# KiCad board panel.kicad_pcb (continued)
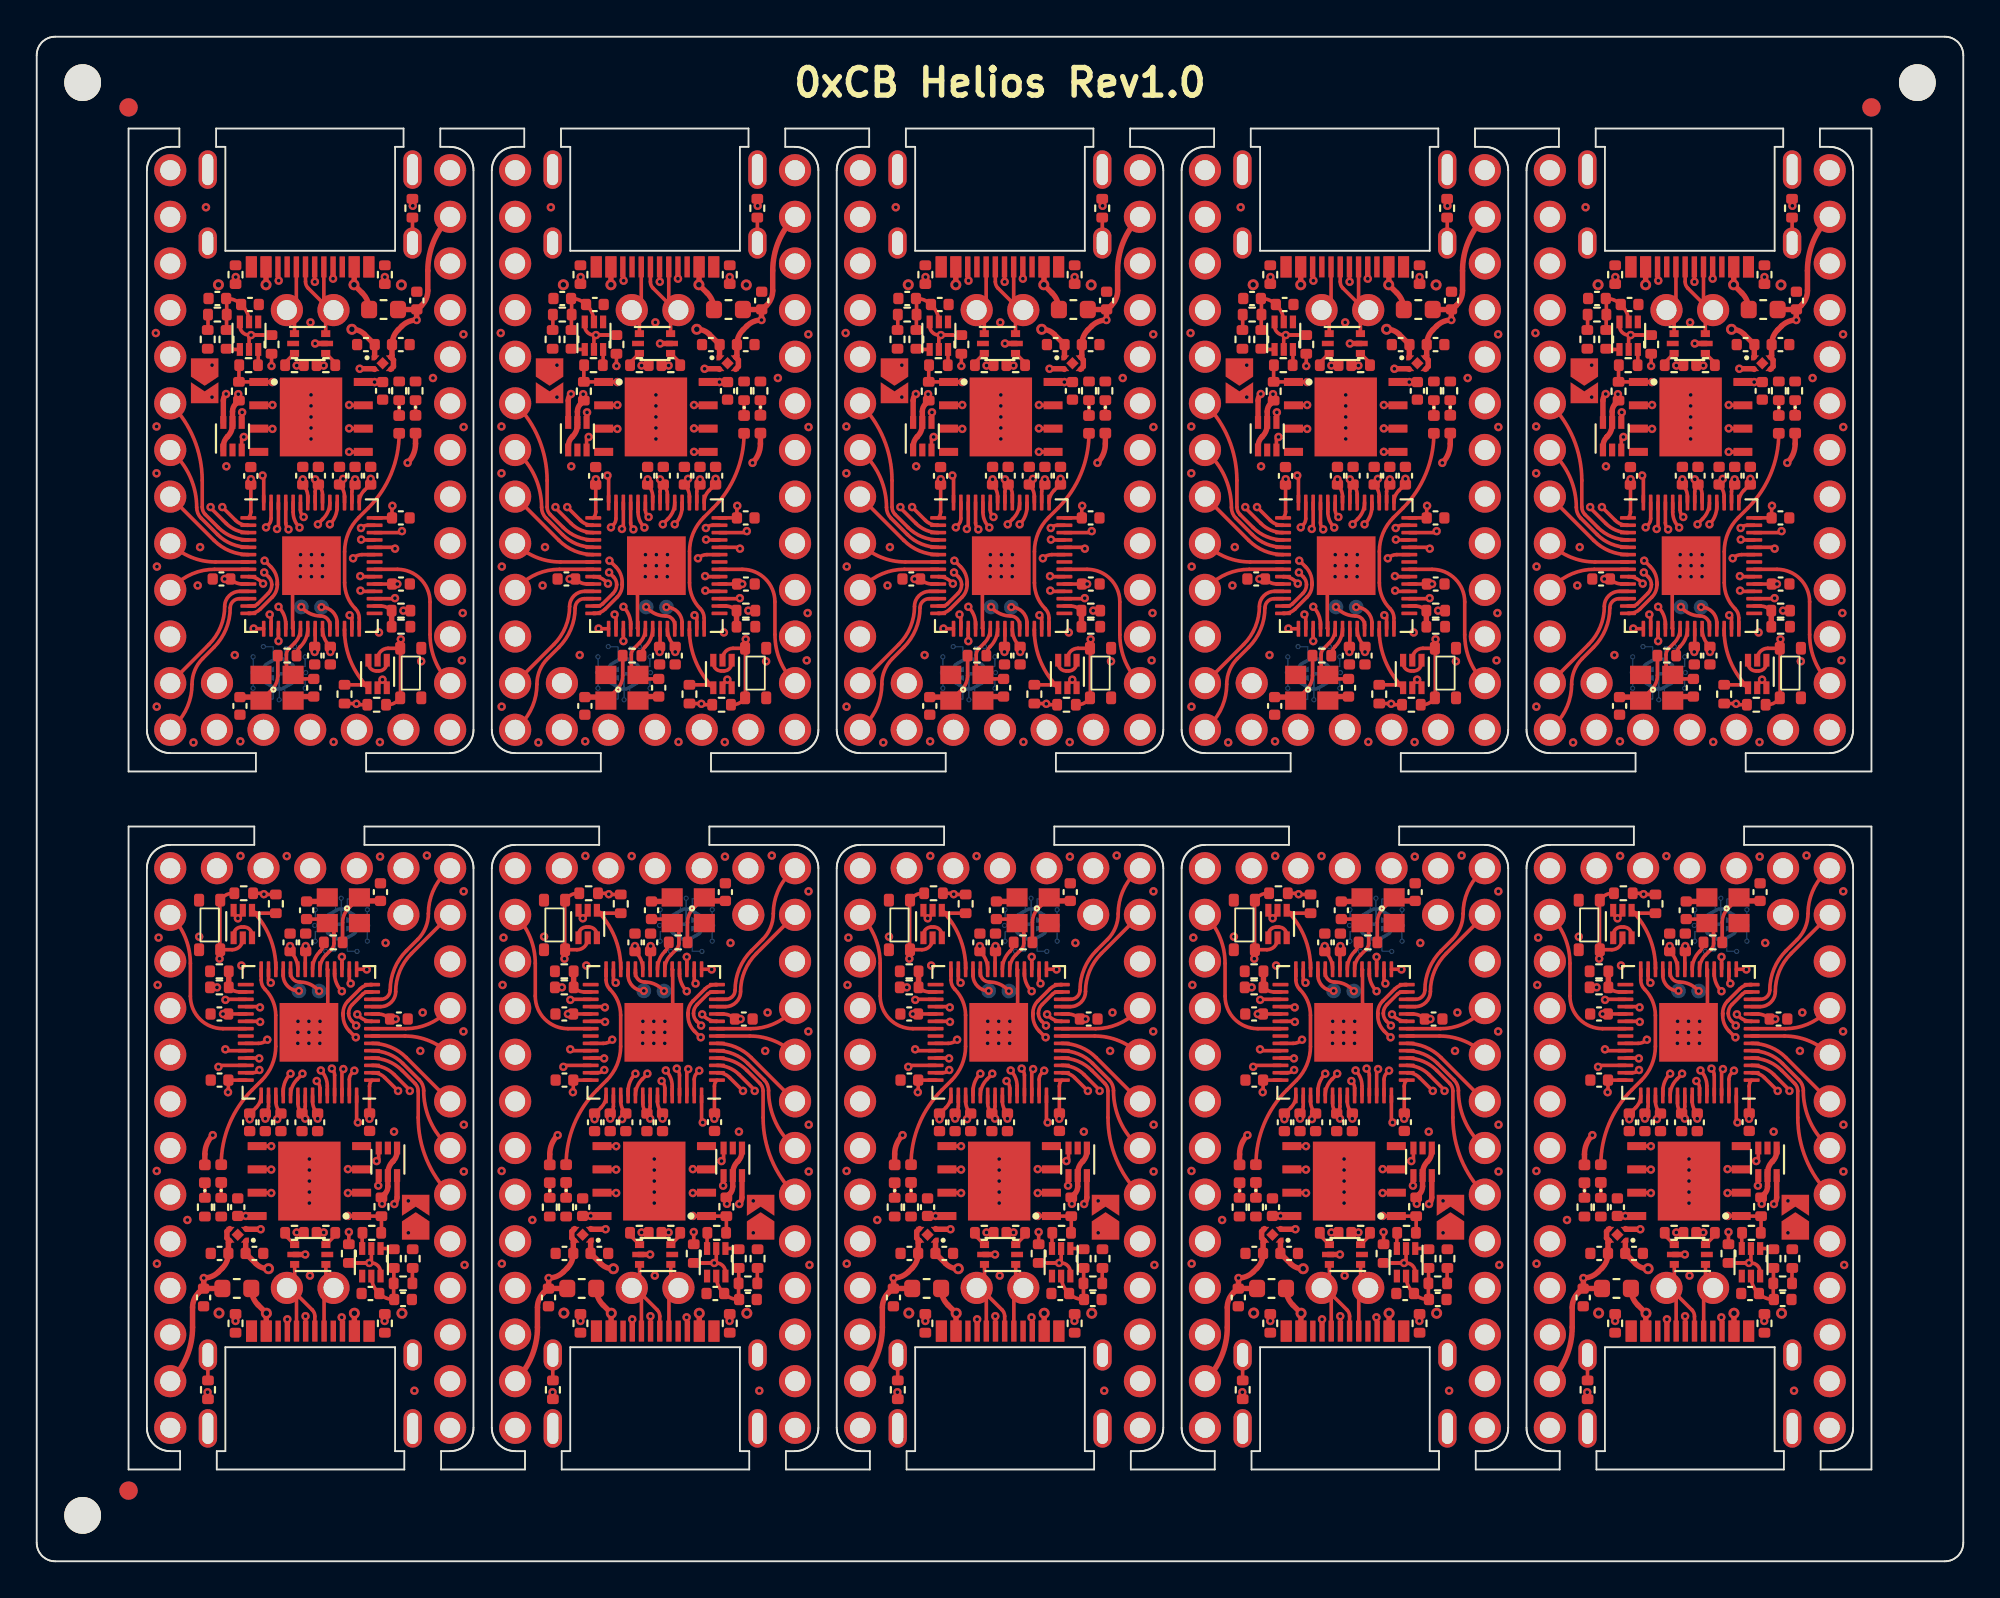
[diagram p0: board, top side]
## Routing (per net, layer and track width the routed paths; a pad name or vN(x,y) marks a point on that pad's centre or on a via; arc(x,y) is an arc through that point) (continued)
Board_1-Net-(C1-Pad1): length 3.7
  Top w0.2: 29.12,67.06 29.12,67.9 R5#5.1 29.12,68.75 C1#6.1 29.13,68.78 arc(29.55,68.7) C2#4.1 29.97,68.39 arc(30.24,67.99) Q2#10.5
Board_1-Net-(C7-Pad2): length 4.1
  Top w0.2: C7#2.2 32.96,48.06 Y1.3 32.52,48.5 arc(32.41,48.66) 32.38,48.85 32.38,49.38 arc(32.41,49.56) 32.51,49.71 32.82,50.02 arc(33.06,50.37) U4#9.20
Board_1-Net-(C8-Pad2): length 4
  Top w0.2: Y1.1 31.59,47.48 arc(31.82,47.83) 31.91,48.24 R14#10.1
  Top w0.3: Y1.1 30.8,47.07 C8#9.2
Board_1-Net-(D1-Pad1): length 0.8
  Top w0.2: D1#6.1 R10#3.1
Board_1-Net-(D1-Pad2): length 24.6
  Top w0.2: JP1#10.2 28.09,63.41 v1(28.33,63.41)
  Top w0.3: D1#6.2 39.41,60.87 arc(39.29,60.31) v1(38.98,59.83)
  In1.Cu w0.2: v1(38.98,59.83) 38.95,59.83 36.11,56.99 arc(35.75,56.12) 36.11,55.25 36.35,55.01 arc(36.49,54.65) 36.35,54.3 36.33,54.28 arc(35.98,54.14) 35.62,54.28 34.91,54.99 arc(34.57,55.22) 34.16,55.3 30.88,55.3 arc(30.23,55.58) 29.96,56.23 29.96,56.62 arc(29.8,57.41) 29.35,58.08 28.6,58.83 arc(28.18,59.46) 28.03,60.2 28.03,62.71 arc(28.11,63.09) v1(28.33,63.41)
Board_1-Net-(D2-Pad1): length 0.8
  Top w0.2: D2#8.1 R15#5.1
Board_1-Net-(FB1-Pad1): length 1.4
  Top w0.2: FB1#6.1 39.24,73.19 J1#9.S1
Board_1-Net-(J1-PadA5): length 4
  Top w0.2: J1#9.A5 v1(34.91,69.86) ; R7#8.2 v1(37.73,69.95)
  In1.Cu w0.2: v1(34.91,69.86) 35.11,70.05 37.63,70.05 v1(37.73,69.95)
Board_1-Net-(J1-PadB5): length 3.7
  Top w0.2: v1(31.95,69.75) 31.91,69.79 J1#9.B5 ; R8#9.2 29.6,69.94 v1(29.62,69.95)
  In1.Cu w0.2: v1(31.95,69.75) 31.65,70.05 29.72,70.05 v1(29.62,69.95)
Board_1-Net-(Q1-Pad5): length 28.5
  Top w0.2: R2#8.2 31.09,66.79 ; 31.09,66.79 v1(30.45,66.79) 30.34,66.68 Q2#10.2 ; 31.09,66.79 30.34,66.79 arc(29.99,66.94) 29.84,67.29 Q2#10.6 ; Q1#4.6 37.84,47.79 v1(37.6,48.02) 37.34,47.76 Q1#4.5
  In2.Cu w0.2: v1(37.6,48.02) 37.6,48.02 35.86,48.02 arc(33.45,49.02) 32.46,51.42 32.46,53.82 arc(32.34,54.4) 32.01,54.9 30.76,56.15 arc(30.11,57.12) 29.88,58.27 29.88,59.25 arc(29.97,59.72) 30.24,60.12 arc(30.46,60.45) 30.54,60.84 30.54,63.41 arc(30.49,63.64) 30.36,63.84 30.33,63.88 arc(30.22,64.04) 30.18,64.23 30.18,66.31 arc(30.22,66.5) 30.33,66.67 v1(30.45,66.79)
Board_1-Net-(Q2-Pad1): length 0.7
  Top w0.2: R4#8.1 29.16,66.01 Q2#10.1
Board_1-Net-(R5-Pad2): length 0.8
  Top w0.2: 28.09,67.06 28.1,67.08 28.1,67.91
Board_1-Net-(R14-Pad2): length 1.6
  Top w0.2: R14#10.2 arc(32.98,49.59) 33.12,49.81 33.14,49.83 arc(33.44,50.27) U4#9.21
Board_1-VBUS: length 28.7
  Top w0.2: v1(38.74,51.78) R16#2.1
  Top w0.3: v2(31.27,69.53) J1#9.A9 ; J1#9.A4 36.06,69.54 v2(36.05,69.53) 36.5,69.08 arc(36.78,68.67) F1#2.1
  In2.Cu w0.2: v2(36.05,69.53) arc(38.57,65.77) 39.45,61.34 39.45,53.48 arc(39.27,52.56) v1(38.74,51.78)
  In2.Cu w0.3: v2(36.05,69.53) arc(35.79,70.18) 35.14,70.45 32.18,70.45 arc(31.53,70.18) v2(31.27,69.53)
Board_2-+1V1: length 15.6
  Top w0.2: v1(52.05,58.93) C17#2.1 arc(52.25,58.35) 52.32,57.99 U4#6.50 ; v1(53.55,49.53) C19#6.1 53.51,49.84 arc(53.22,50.28) U4#6.23 ; U4#6.45 54.32,57.99 arc(54.25,58.35) C10#2.2
  In2.Cu w0.2: v1(52.05,58.93) 53.12,57.86 ; v1(54.25,58.96) 53.14,57.86 53.12,57.86 ; 53.12,57.86 53.54,57.43 arc(53.91,56.88) 54.05,56.22 54.05,50.74 arc(53.92,50.08) v1(53.55,49.53)
Board_2-+3V3: length 20.9
  Top w0.2: v1(55.75,58.96) 55.75,58.68 55.39,58.33 arc(55.19,58.03) U4#6.43 ; U3#6.8 55.95,64.24 v1(55.95,64.23) C6#10.1 ; R2#7.1 v1(50.34,65.11) ; U4#6.44 54.72,58.27 arc(54.76,58.46) 54.87,58.62 C9#7.2 v1(54.89,58.93) ; 55.93,56.83 C13#3.1 56.91,57.47 v1(56.92,57.49) ; R11#8.1 48.57,63.54 v1(48.53,63.57) ; C16#8.1 49.22,58.93 v1(49.22,58.94) ; R3#2.1 54.95,46.72 v1(54.97,46.71) 55.02,46.66 R1#3.1 ; 49.22,58.35 49.22,57.16 arc(49.18,56.98) U4#6.1 ; U4#6.22 52.72,49.84 C11#10.1 ; U4#6.49 52.72,58.27 arc(52.76,58.46) 52.87,58.62 C14#8.1 ; U4#6.10 48.76,53.23 arc(48.4,53.3) C15#7.1 v1(47.8,53.51) ; C14#8.1 52.89,58.76 v1(52.72,58.93) ; C14#8.1 arc(53.06,58.4) 53.12,58.11 U4#6.48 ; v1(57.19,53.23) 55.93,53.23
  Top w0.3: U2#8.1 55.96,66.27 ; C5#4.1 55.41,66.83 arc(55.09,67.04) 54.72,67.11 ; R11#8.1 48.39,63.04 arc(48.27,62.85) 48.22,62.62 U5#8.5 48.22,61.91 arc(48.15,61.56) 47.95,61.26 47.94,61.25 arc(47.78,61.01) 47.72,60.72 U5#8.1
  vias: v1(47.1,65.15) v1(47.88,59.64) v1(52.69,49.53) v2(54.72,67.11)
Board_2-+5V: length 25.3
  Top w0.3: 58.25,68.18 C3#2.1 58.31,68.19 58.52,68.41 arc(58.77,68.78) 58.86,69.21 58.86,70.3 arc(59.17,71.88) J2#5.30 ; 58.25,68.18 v1(58.25,67.61) arc(57.81,67.52) 57.44,67.28 57.24,67.07 arc(56.99,66.7) C4#3.1 56.91,65.67 U2#8.4 56.98,65.44 56.98,65.07 U2#8.3 ; 58.25,68.18 F1#7.2 ; v1(47.87,63.58) 47.87,63.58 arc(47.76,63.41) 47.72,63.22 U5#8.6 ; U1#2.5 v1(52.72,66.33)
  In1.Cu w0.3: v1(47.87,63.58) arc(48.65,65.47) 50.55,66.26 52.64,66.26 v1(52.72,66.33) 52.8,66.25 54.96,66.25 arc(56.74,66.6) v1(58.25,67.61)
Board_2-/0_TX0: length 18.4
  Top w0.2: v1(47.66,57.42) 48.39,56.7 arc(48.68,56.5) 49.03,56.43 U4#6.2
  In1.Cu w0.2: J2#5.2 44.83,72.66 arc(44.87,72.47) 44.98,72.31 45.01,72.27 arc(45.9,70.94) 46.22,69.36 46.22,60.13 arc(46.4,59.22) 46.91,58.45 47.47,57.89 arc(47.61,57.67) v1(47.66,57.42)
Board_2-/1_RX0: length 16.4
  Top w0.2: v1(47.02,57.42) 47.02,57.38 47.87,56.53 arc(48.43,56.16) U4#6.3
  In1.Cu w0.2: v1(47.02,57.42) 47.02,57.44 arc(46.94,57.88) 46.69,58.24 arc(46.12,59.11) 45.91,60.12 45.91,68.07 arc(45.63,69.49) J2#5.3
Board_2-/2_SDA1: length 9.4
  Top w0.2: J2#5.6 arc(46.12,61.14) 46.57,58.87 46.57,57.43 arc(46.61,57.2) 46.74,57.01 47.45,56.31 arc(48.2,55.81) U4#6.4
Board_2-/3_SCL1: length 7.3
  Top w0.2: J2#5.7 45.08,60.28 arc(45.96,58.96) 46.27,57.4 arc(46.33,57.09) 46.51,56.82 47.41,55.92 arc(48.18,55.41) U4#6.5
Board_2-/4: length 5.4
  Top w0.2: J2#5.8 47.22,55.6 arc(48.07,55.03) U4#6.6
Board_2-/5: length 4.5
  Top w0.2: U4#6.7 47.29,54.43 arc(45.96,54.7) J2#5.9
Board_2-/6: length 4.6
  Top w0.2: J2#5.10 45.04,53.12 arc(46.05,53.79) 47.24,54.03 U4#6.8
Board_2-/7: length 6.9
  Top w0.2: v1(49.89,53.25) 49.78,53.35 arc(49.48,53.56) 49.12,53.63 U4#6.9
  In2.Cu w0.2: v1(49.89,53.25) 48.54,51.91 arc(46.84,50.77) J2#5.11
Board_2-/8: length 7
  Top w0.2: U4#6.11 48.62,52.83 arc(48.04,52.59) 47.8,52.01 arc(47.57,50.89) 46.94,49.94 J2#5.12
Board_2-/9: length 8.9
  Top w0.2: J2#5.13 45.1,45.56 arc(45.78,46.57) 46.02,47.77 arc(46.17,48.53) 46.6,49.17 47.2,49.78 arc(47.86,50.77) 48.09,51.93 arc(48.24,52.28) 48.59,52.43 U4#6.12
Board_2-/10: length 26.5
  Top w0.2: v1(49.94,53.86) 50.18,53.62 arc(50.31,53.43) 50.36,53.2 arc(50.31,52.94) 50.16,52.72 49.59,52.15 arc(49.46,52.06) 49.31,52.03 U4#6.13
  In2.Cu w0.2: v1(49.94,53.86) 49.91,53.86 46.63,57.14 arc(46.22,57.76) 46.08,58.48 46.08,72.76 arc(45.75,74.39) J2#5.1
Board_2-/11: length 38
  Top w0.2: v1(49.97,54.5) 49.98,54.5 50.3,54.17 arc(50.57,53.78) 50.66,53.31 50.66,53.18 arc(50.59,52.82) 50.38,52.51 49.73,51.86 arc(49.47,51.69) 49.17,51.63 U4#6.14
  In1.Cu w0.2: v1(49.97,54.5) 49.97,54.69 arc(49.87,54.91) 49.65,55 arc(48.79,55.36) 48.44,56.22 48.44,56.45 arc(48.27,57.28) 47.8,57.98 47.14,58.64 arc(46.68,59.34) 46.52,60.16 46.52,68.65 arc(47.07,69.98) 48.4,70.53 57.68,70.53 arc(58.51,70.87) 58.86,71.71 58.86,72.84 arc(59.17,74.42) J2#5.31
Board_2-/12: length 6.6
  Top w0.2: v1(49.37,50.81) 49.38,50.79 U4#6.15
  In1.Cu w0.2: v1(49.37,50.81) 49.37,50.12 arc(48.85,47.51) J2#5.14
Board_2-/13: length 7.2
  Top w0.2: U4#6.16 50.32,51.5 v1(50.25,51.57)
  In1.Cu w0.2: J2#5.15 49.91,50.76 arc(50,51.2) v1(50.25,51.57)
Board_2-/14: length 6
  Top w0.2: v1(50.72,50.12) 50.72,50.13 U4#6.17
  In1.Cu w0.2: v1(50.72,50.12) 50.72,49.45 arc(51.17,47.2) J2#5.16
Board_2-/15: length 9.5
  Top w0.2: U4#6.18 51.12,51.04 arc(51.02,51.55) v1(50.72,51.99)
  In1.Cu w0.2: J2#5.17 52.45,47.83 arc(51.62,49.08) 51.33,50.54 arc(51.17,51.33) v1(50.72,51.99)
Board_2-/16: length 7.9
  Top w0.2: v1(54.59,51.53) 54.72,51.41 U4#6.27
  In1.Cu w0.2: J2#5.18 56.93,45.89 arc(55.2,48.48) v1(54.59,51.53)
Board_2-/20_SDI: length 4.9
  Top w0.2: v1(57.06,52.46) 57.03,52.43 U4#6.31
  In1.Cu w0.2: J2#5.21 58.63,51.81 arc(57.91,52.29) v1(57.06,52.46)
Board_2-/21_CS: length 10.1
  Top w0.2: U4#6.32 55.22,52.83 v1(55.19,52.87)
  In1.Cu w0.2: J2#5.19 57.17,48.19 arc(55.87,50.02) 55.24,52.16 55.24,52.82 v1(55.19,52.87)
Board_2-/22_SCK: length 5.9
  Top w0.2: v1(55.17,53.66) 55.2,53.63 U4#6.34
  In1.Cu w0.2: v1(55.17,53.66) 55.22,53.7 58.15,53.7 arc(59.19,53.5) J2#5.22
Board_2-/23_SDO: length 8.7
  Top w0.2: U4#6.35 57.2,54.03 arc(58.45,53.51) 58.97,52.25 58.97,50.47 arc(59.26,49.04) J2#5.20
Board_2-/A0: length 4.2
  Top w0.2: v1(57.07,55.16) 57,55.23 U4#6.38
  In1.Cu w0.2: v1(57.07,55.16) 59.36,55.16 arc(59.74,55.23) J2#5.23
Board_2-/A1: length 6.5
  Top w0.2: v1(55.22,55.65) 55.25,55.63 U4#6.39
  In1.Cu w0.2: J2#5.24 57.97,55.89 arc(57.68,55.7) 57.34,55.63 55.25,55.63 v1(55.22,55.65)
Board_2-/A2: length 6.8
  Top w0.2: U4#6.40 57.36,56.03 v1(57.44,56.11)
  In1.Cu w0.2: J2#5.25 58.71,59.17 arc(57.77,57.77) v1(57.44,56.11)
Board_2-/A3: length 9.4
  Top w0.2: v1(55.22,56.28) 55.22,56.28 arc(55.38,56.39) 55.57,56.43 U4#6.41
  In1.Cu w0.2: v1(55.22,56.28) 55.22,56.45 57.96,59.19 arc(58.58,60.13) 58.81,61.24 arc(58.91,61.76) 59.2,62.2 J2#5.26
Board_2-/BOOT: length 0.7
  Top w0.2: 49.62,65.28 Q2#6.3
Board_2-/D+: length 11.1
  Top w0.2: R12#5.2 51.73,65.15 v1(51.72,65.13) ; v1(52.87,56.48) 52.87,56.5 53.15,56.78 arc(53.42,57.19) U4#6.47
  In1.Cu w0.2: v1(52.87,56.48) 52.87,56.5 arc(53.11,56.86) 53.19,57.28 53.19,62.86 arc(53.07,63.5) 52.7,64.05 51.69,65.06 51.69,65.11 v1(51.72,65.13)
Board_2-/D-: length 11.2
  Top w0.2: U4#6.46 53.92,57.45 arc(53.82,56.92) v1(53.52,56.48) ; v1(53.19,65.13) 53.17,65.15 R13#3.2
  In1.Cu w0.2: v1(53.19,65.13) 53.35,64.96 arc(53.48,64.78) 53.52,64.56 arc(53.48,64.45) 53.37,64.41 53.18,64.41 arc(53.08,64.36) 53.03,64.26 arc(53.08,64.15) 53.18,64.11 53.37,64.11 arc(53.48,64.06) 53.52,63.96 v1(53.52,56.48)
Board_2-/LED: length 11.7
  Top w0.2: U4#6.28 55.12,51.38 arc(55.07,51.65) 54.91,51.88 arc(54.48,52.53) 54.33,53.3 54.33,55 arc(54.52,56) 55.09,56.85 55.61,57.36 arc(56.86,59.23) D2#4.2
Board_2-/PORT+: length 7.1
  Top w0.2: J1.B6 51.69,68.67 J2#5.34 51.59,67.74 U1#2.1 ; v1(52.7,69.69) 52.69,69.7 J1.A6
  In1.Cu w0.2: J2#5.34 51.34,68.15 52.7,69.51 v1(52.7,69.69)
Board_2-/PORT-: length 7.1
  Top w0.2: J1.B7 53.19,68.68 J2#5.33 ; 53.3,66.87 53.3,67.73 J2#5.33 ; J2#5.33 53.53,68.15 52.34,69.34 arc(52.23,69.51) 52.19,69.7 J1.A7
Board_2-/QSPI_CLK: length 11.3
  Top w0.2: v1(54.57,61.71) 54.58,61.7 U3#6.6 ; U4#6.52 51.52,57.15 arc(51.61,56.69) v1(51.87,56.31)
  In2.Cu w0.2: v1(51.87,56.31) 51.87,56.41 arc(51.41,57.1) 51.25,57.91 51.25,59.19 arc(51.42,59.61) 51.84,59.78 54.54,59.78 arc(54.9,59.93) 55.04,60.28 55.04,60.56 arc(54.92,61.18) v1(54.57,61.71)
Board_2-/QSPI_CS: length 9.6
  Top w0.2: R9#5.1 48.57,65.14 R11#8.2 49.64,64.24 U3#6.1 50.39,64.24 v1(50.39,64.23) ; v1(49.86,59.14) 49.92,59.08 49.92,57.69
  In2.Cu w0.2: v1(50.39,64.23) arc(49.82,63.37) 49.62,62.36 49.62,59.7 arc(49.68,59.4) v1(49.86,59.14)
Board_2-/QSPI_SD0: length 11.3
  Top w0.2: v1(54.57,60.43) 54.58,60.43 U3#6.5 ; v1(51.27,56.21) 51.27,56.21 arc(51.16,56.37) 51.12,56.56 U4#6.53
  In2.Cu w0.2: v1(51.27,56.21) 51.27,56.28 arc(51.03,56.64) 50.94,57.06 50.94,59.24 arc(51.19,59.83) 51.78,60.08 52.61,60.08 arc(52.72,60.12) 52.77,60.23 52.77,60.48 arc(52.81,60.59) 52.92,60.63 arc(53.02,60.59) 53.06,60.48 53.06,60.23 arc(53.11,60.12) 53.22,60.08 arc(53.32,60.12) 53.36,60.23 53.36,60.48 arc(53.41,60.59) 53.52,60.63 arc(53.62,60.59) 53.67,60.48 53.67,60.23 arc(53.71,60.12) 53.81,60.08 arc(54.19,60.15) 54.51,60.37 v1(54.57,60.43)
Board_2-/QSPI_SD1: length 11.4
  Top w0.2: U3#6.2 50.38,62.97 v1(50.39,62.98) ; v1(50.05,56.32) 50.17,56.44 arc(50.28,56.61) 50.32,56.8 U4#6.55
  In2.Cu w0.2: v1(50.05,56.32) 50.21,56.48 arc(50.31,56.63) 50.34,56.8 arc(50.3,56.91) 50.19,56.95 50.09,56.95 arc(49.99,56.99) 49.94,57.1 arc(49.99,57.21) 50.09,57.25 50.19,57.25 arc(50.3,57.29) 50.34,57.4 arc(50.3,57.51) 50.19,57.55 50.09,57.55 arc(49.99,57.59) 49.94,57.7 arc(49.99,57.81) 50.09,57.85 50.19,57.85 arc(50.3,57.89) 50.34,58 arc(50.3,58.11) 50.19,58.15 50.09,58.15 arc(49.99,58.19) 49.94,58.3 arc(49.99,58.41) 50.09,58.45 50.19,58.45 arc(50.3,58.49) 50.34,58.6 50.34,59.16 arc(50.31,59.35) 50.2,59.51 50.07,59.64 arc(49.96,59.81) 49.92,60 49.92,60.34 arc(49.96,60.44) 50.07,60.49 50.17,60.49 arc(50.28,60.53) 50.32,60.64 arc(50.28,60.74) 50.17,60.79 50.07,60.79 arc(49.96,60.83) 49.92,60.94 49.92,61.84 arc(50.04,62.45) v1(50.39,62.98)
Board_2-/QSPI_SD2: length 11.3
  Top w0.2: U4#6.54 50.72,56.31 v1(50.64,56.23) ; U3#6.3 50.38,61.7 v1(50.39,61.68)
  In2.Cu w0.2: v1(50.39,61.68) 50.64,61.43 arc(50.69,61.32) 50.8,61.28 51.5,61.28 arc(51.6,61.24) 51.64,61.13 arc(51.6,61.02) 51.5,60.98 50.8,60.98 arc(50.69,60.94) 50.64,60.83 arc(50.69,60.72) 50.8,60.68 51.5,60.68 arc(51.6,60.64) 51.64,60.53 arc(51.6,60.42) 51.5,60.38 50.8,60.38 arc(50.69,60.34) 50.64,60.23 v1(50.64,56.23)
Board_2-/QSPI_SD3: length 11.4
  Top w0.2: U3#6.7 54.58,62.97 v1(54.57,62.98) ; U4#6.51 51.92,57.26 arc(51.96,57.07) 52.07,56.91 v1(52.09,56.88)
  In2.Cu w0.2: v1(54.57,62.98) arc(55.17,62.08) 55.39,61.01 55.39,60.28 arc(55.14,59.7) 54.56,59.46 51.88,59.46 arc(51.64,59.36) 51.55,59.13 51.55,58.2 arc(51.69,57.49) v1(52.09,56.88)
Board_2-/RESET: length 24.4
  Top w0.2: Q1#9.2 56.12,49.15 arc(56.29,49.56) 56.7,49.73 57.37,49.73 ; R1#3.2 56.67,46.66 arc(56.97,46.71) 57.22,46.88 arc(57.33,47.05) 57.37,47.24 57.37,49.73 ; 57.37,49.73 57.37,50.21 v1(57.39,50.22)
  In2.Cu w0.2: v1(57.39,50.22) arc(58.23,51.49) 58.53,52.98 58.53,64.43 arc(58.93,66.44) J2#5.28
Board_2-/RGB_5V: length 17.5
  Top w0.2: U5#8.4 48.72,62.56 v1(48.74,62.58)
  In2.Cu w0.2: v1(48.74,62.58) arc(48.46,62.15) 48.36,61.65 48.36,58.16 arc(48.59,57) 49.25,56.02 50.52,54.75 arc(50.83,54.28) 50.94,53.73 arc(50.82,53.12) 50.47,52.6 48.56,50.7 arc(47.68,49.38) J2#5.32
Board_2-/RGB_DO: length 15.4
  Top w0.2: U5#8.3 48.72,61.13 v1(48.84,61.24) ; U4#6.37 55.27,54.83 arc(55.01,54.78) v1(54.78,54.63)
  In1.Cu w0.2: v1(54.78,54.63) 54.44,54.98 arc(53.74,55.44) 52.92,55.6 49.68,55.6 arc(49.23,55.79) 49.04,56.25 49.04,56.76 arc(48.89,57.53) 48.45,58.18 47.68,58.96 arc(47.26,59.58) 47.12,60.31 arc(47.39,60.97) 48.04,61.24 v1(48.84,61.24)
Board_2-/RST: length 4.9
  Top w0.2: U4#6.26 54.32,50.72 arc(54.66,49.02) Q1#9.4 55.61,47.59 arc(55.44,47.7) 55.25,47.74 R3#2.2
Board_2-/SWD_CLK: length 2.2
  Top w0.2: U4#6.24 53.52,50.99 arc(53.37,51.34) 53.02,51.49 arc(52.5,51.59) 52.06,51.89 v1(51.97,51.98)
Board_2-/SWD_IO: length 1.7
  Top w0.2: U4#6.25 53.92,51.12 arc(53.67,51.72) v1(53.06,51.97)
Board_2-/USB+: length 0.9
  Top w0.2: U1#2.3 51.08,65.28 R12#5.1
Board_2-/USB-: length 0.9
  Top w0.2: R13#3.1 53.81,65.27 53.3,65.79
Board_2-GND: length 7.7
  Top w0.2: Q1#9.1 56.62,48.92 arc(56.49,48.62) 56.19,48.5 56.05,48.5 arc(55.75,48.62) 55.62,48.92 Q1#9.3 ; U4#6.19 51.49,50.82 51.49,53.2 v1(52.52,54.23)
  Top w0.3: Y1#10.2 51.74,47.1 C7#4.1 ; v1(55.14,64.96) 55.92,64.96 U2#8.2
  vias: v1(44.05,66.9) v1(44.09,61.81) v1(44.09,59.26) v1(44.1,54.18) v1(44.09,46.55) v1(46.09,44.6) v1(46.33,53.15) v1(46.45,55.24) v1(46.77,73.75) v1(48.34,49.36) v1(48.65,44.66) v1(51.92,54.83) v1(51.92,54.23) v1(51.92,53.63) v1(52.47,67.48) v1(52.5,63.53) v1(52.5,62.93) v1(52.5,62.33) v1(52.5,61.73) v1(52.5,61.13) v1(52.52,54.83) v1(52.52,53.63) v1(53.12,54.83) v1(53.12,54.23) v1(53.11,53.63) v1(53.72,44.63) v1(56.19,50.59) v1(56.25,44.62) v1(58.03,73.83) v1(58.5,49.02) v1(59.14,64.45) v1(60.7,49.07) v1(60.8,66.83) v1(60.81,61.78) v1(60.75,51.65) v2(47.45,69.53) v2(57.42,69.52)
Board_2-Net-(C1-Pad1): length 3.7
  Top w0.2: 47.9,67.06 47.9,67.9 R5#6.1 47.91,68.75 C1#7.1 47.91,68.78 arc(48.33,68.7) C2#2.1 48.75,68.39 arc(49.02,67.99) Q2#6.5
Board_2-Net-(C7-Pad2): length 4.1
  Top w0.2: C7#4.2 51.74,48.06 Y1#10.3 51.3,48.5 arc(51.19,48.66) 51.16,48.85 51.16,49.38 arc(51.19,49.56) 51.29,49.71 51.6,50.02 arc(51.84,50.37) U4#6.20
Board_2-Net-(C8-Pad2): length 4
  Top w0.2: Y1#10.1 50.37,47.48 arc(50.6,47.83) 50.69,48.24 R14#3.1
  Top w0.3: C8#6.2 49.58,47.07 Y1#10.1
Board_2-Net-(D1-Pad1): length 0.8
  Top w0.2: D1#7.1 R10#4.1
Board_2-Net-(D1-Pad2): length 24.6
  Top w0.2: v1(47.1,63.41) 46.87,63.41 JP1#3.2
  Top w0.3: D1#7.2 58.19,60.87 arc(58.07,60.31) v1(57.75,59.83)
  In1.Cu w0.2: v1(57.75,59.83) 57.73,59.83 54.89,56.99 arc(54.53,56.12) 54.89,55.25 55.13,55.01 arc(55.27,54.65) 55.13,54.3 55.11,54.28 arc(54.76,54.14) 54.4,54.28 53.69,54.99 arc(53.35,55.22) 52.94,55.3 49.66,55.3 arc(49.01,55.58) 48.74,56.23 48.74,56.62 arc(48.58,57.41) 48.13,58.08 47.38,58.83 arc(46.96,59.46) 46.81,60.2 46.81,62.71 arc(46.89,63.09) v1(47.1,63.41)
Board_2-Net-(D2-Pad1): length 0.8
  Top w0.2: D2#4.1 R15#9.1
Board_2-Net-(FB1-Pad1): length 1.4
  Top w0.2: FB1#5.1 58.02,73.19 J1.S1
Board_2-Net-(J1-PadA5): length 4
  Top w0.2: J1.A5 v1(53.69,69.86) ; R7#9.2 v1(56.52,69.95)
  In1.Cu w0.2: v1(56.52,69.95) 56.41,70.05 53.89,70.05 v1(53.69,69.86)
Board_2-Net-(J1-PadB5): length 3.7
  Top w0.2: R8#7.2 48.38,69.94 v1(48.4,69.95) ; J1.B5 50.69,69.79 v1(50.73,69.75)
  In1.Cu w0.2: v1(48.4,69.95) 48.5,70.05 50.43,70.05 v1(50.73,69.75)
Board_2-Net-(Q1-Pad5): length 28.5
  Top w0.2: Q2#6.2 49.12,66.68 v1(49.23,66.79) 49.87,66.79 ; Q1#9.5 56.12,47.76 v1(56.39,48.02) 56.62,47.79 Q1#9.6 ; R2#7.2 49.87,66.79 ; 49.87,66.79 49.12,66.79 arc(48.77,66.94) 48.62,67.29 Q2#6.6
  In2.Cu w0.2: v1(56.39,48.02) 56.38,48.02 54.64,48.02 arc(52.23,49.02) 51.24,51.42 51.24,53.82 arc(51.12,54.4) 50.79,54.9 49.54,56.15 arc(48.89,57.12) 48.66,58.27 48.66,59.25 arc(48.75,59.72) 49.02,60.12 arc(49.24,60.45) 49.32,60.84 49.32,63.41 arc(49.27,63.64) 49.14,63.84 49.11,63.88 arc(49,64.04) 48.96,64.23 48.96,66.31 arc(49,66.5) 49.11,66.67 v1(49.23,66.79)
Board_2-Net-(Q2-Pad1): length 0.7
  Top w0.2: R4#4.1 47.94,66.01 Q2#6.1
Board_2-Net-(R5-Pad2): length 0.8
  Top w0.2: 46.87,67.06 46.88,67.08 46.88,67.91
Board_2-Net-(R14-Pad2): length 1.6
  Top w0.2: U4#6.21 arc(52.22,50.27) 51.92,49.83 51.9,49.81 arc(51.76,49.59) R14#3.2
Board_2-VBUS: length 28.7
  Top w0.2: v1(57.53,51.78) R16#9.1
  Top w0.3: v2(50.05,69.53) J1.A9 ; J1.A4 54.84,69.54 v2(54.83,69.53) 55.28,69.08 arc(55.56,68.67) F1#7.1
  In2.Cu w0.2: v1(57.53,51.78) arc(58.05,52.56) 58.23,53.48 58.23,61.34 arc(57.35,65.77) v2(54.83,69.53)
  In2.Cu w0.3: v2(50.05,69.53) arc(50.31,70.18) 50.96,70.45 53.92,70.45 arc(54.57,70.18) v2(54.83,69.53)
Board_3-+1V1: length 15.6
  Top w0.2: U4#8.50 71.1,57.99 arc(71.03,58.35) C17#5.1 v1(70.83,58.93) ; v1(72.33,49.53) C19#2.1 72.29,49.84 arc(72,50.28) U4#8.23 ; U4#8.45 73.1,57.99 arc(73.03,58.35) C10#4.2
  In2.Cu w0.2: v1(70.83,58.93) 71.9,57.86 ; 71.9,57.86 72.32,57.43 arc(72.69,56.88) 72.83,56.22 72.83,50.74 arc(72.7,50.08) v1(72.33,49.53) ; 71.9,57.86 71.92,57.86 v1(73.03,58.96)
Board_3-+3V3: length 20.9
  Top w0.2: 74.71,56.83 C13#10.1 75.69,57.47 v1(75.7,57.49) ; U4#8.22 71.5,49.84 C11#9.1 ; v1(66.58,53.51) C15#10.1 arc(67.18,53.3) 67.54,53.23 U4#8.10 ; v1(74.53,58.96) 74.53,58.68 74.17,58.33 arc(73.97,58.03) U4#8.43 ; v1(67.31,63.57) 67.35,63.54 R11#10.1 ; U4#8.48 71.9,58.11 arc(71.84,58.4) C14#2.1 ; v1(71.5,58.93) 71.67,58.76 C14#2.1 ; R1.1 73.8,46.66 v1(73.75,46.71) 73.73,46.72 R3#3.1 ; U4#8.44 73.5,58.27 arc(73.54,58.46) 73.65,58.62 C9#4.2 v1(73.67,58.93) ; 74.71,53.23 C12#5.1 v1(75.97,53.23) ; C16#6.1 68,58.93 v1(68,58.94) ; C6#5.1 v1(74.73,64.23) 74.73,64.24 U3#2.8 ; C14#2.1 71.65,58.62 arc(71.54,58.46) 71.5,58.27 U4#8.49 ; R2#9.1 v1(69.12,65.11) ; 68,58.35 68,57.16 arc(67.96,56.98) U4#8.1
  Top w0.3: U5#3.1 66.5,60.72 arc(66.56,61.01) 66.72,61.25 66.73,61.26 arc(66.93,61.56) 67,61.91 U5#3.5 67,62.62 arc(67.05,62.85) 67.17,63.04 R11#10.1 ; C5#7.1 74.19,66.83 arc(73.87,67.04) 73.5,67.11 ; U2#5.1 74.74,66.27
  vias: v1(65.89,65.15) v1(66.67,59.64) v1(71.47,49.53) v2(73.5,67.11)
Board_3-+5V: length 25.3
  Top w0.3: 77.03,68.18 v1(77.03,67.61) arc(76.59,67.52) 76.22,67.28 76.02,67.07 arc(75.77,66.7) C4.1 75.69,65.67 U2#5.4 75.76,65.44 75.76,65.07 U2#5.3 ; 77.03,68.18 F1#8.2 ; 77.03,68.18 C3#5.1 77.08,68.19 77.3,68.41 arc(77.55,68.78) 77.64,69.21 77.64,70.3 arc(77.95,71.88) J2#4.30 ; U1#4.5 v1(71.5,66.33) ; U5#3.6 66.5,63.22 arc(66.54,63.41) 66.65,63.58 v1(66.65,63.58)
  In1.Cu w0.3: v1(77.03,67.61) arc(75.52,66.6) 73.74,66.25 71.58,66.25 v1(71.5,66.33) 71.42,66.26 69.33,66.26 arc(67.43,65.47) v1(66.65,63.58)
Board_3-/0_TX0: length 18.4
  Top w0.2: U4#8.2 67.81,56.43 arc(67.46,56.5) 67.17,56.7 v1(66.44,57.42)
  In1.Cu w0.2: J2#4.2 63.61,72.66 arc(63.65,72.47) 63.76,72.31 63.79,72.27 arc(64.68,70.94) 65,69.36 65,60.13 arc(65.18,59.22) 65.69,58.45 66.25,57.89 arc(66.39,57.67) v1(66.44,57.42)
Board_3-/1_RX0: length 16.4
  Top w0.2: v1(65.81,57.42) 65.81,57.38 66.65,56.53 arc(67.21,56.16) U4#8.3
  In1.Cu w0.2: v1(65.81,57.42) 65.81,57.44 arc(65.72,57.88) 65.47,58.24 arc(64.9,59.11) 64.69,60.12 64.69,68.07 arc(64.41,69.49) J2#4.3
Board_3-/2_SDA1: length 9.4
  Top w0.2: U4#8.4 arc(66.98,55.81) 66.23,56.31 65.52,57.01 arc(65.39,57.2) 65.35,57.43 65.35,58.87 arc(64.9,61.14) J2#4.6
Board_3-/3_SCL1: length 7.3
  Top w0.2: J2#4.7 63.86,60.28 arc(64.74,58.96) 65.05,57.4 arc(65.11,57.09) 65.29,56.82 66.19,55.92 arc(66.96,55.41) U4#8.5
Board_3-/4: length 5.4
  Top w0.2: J2#4.8 66,55.6 arc(66.85,55.03) U4#8.6
Board_3-/5: length 4.5
  Top w0.2: U4#8.7 66.07,54.43 arc(64.74,54.7) J2#4.9
Board_3-/6: length 4.6
  Top w0.2: J2#4.10 63.82,53.12 arc(64.83,53.79) 66.02,54.03 U4#8.8
Board_3-/7: length 6.9
  Top w0.2: U4#8.9 67.9,53.63 arc(68.26,53.56) 68.56,53.35 v1(68.67,53.25)
  In2.Cu w0.2: v1(68.67,53.25) 67.32,51.91 arc(65.62,50.77) J2#4.11
Board_3-/8: length 7
  Top w0.2: U4#8.11 67.4,52.83 arc(66.82,52.59) 66.58,52.01 arc(66.35,50.89) 65.72,49.94 J2#4.12
Board_3-/9: length 8.9
  Top w0.2: U4#8.12 67.38,52.43 arc(67.02,52.28) 66.88,51.93 arc(66.64,50.77) 65.98,49.78 65.38,49.17 arc(64.95,48.53) 64.8,47.77 arc(64.56,46.57) 63.88,45.56 J2#4.13
Board_3-/10: length 26.5
  Top w0.2: v1(68.72,53.86) 68.96,53.62 arc(69.09,53.43) 69.14,53.2 arc(69.09,52.94) 68.94,52.72 68.37,52.15 arc(68.24,52.06) 68.09,52.03 U4#8.13
  In2.Cu w0.2: v1(68.72,53.86) 68.69,53.86 65.41,57.14 arc(65,57.76) 64.86,58.48 64.86,72.76 arc(64.53,74.39) J2#4.1
Board_3-/11: length 38
  Top w0.2: v1(68.75,54.5) 68.76,54.5 69.08,54.17 arc(69.35,53.78) 69.44,53.31 69.44,53.18 arc(69.37,52.82) 69.16,52.51 68.51,51.86 arc(68.25,51.69) 67.95,51.63 U4#8.14
  In1.Cu w0.2: v1(68.75,54.5) 68.75,54.69 arc(68.65,54.91) 68.43,55 arc(67.57,55.36) 67.22,56.22 67.22,56.45 arc(67.05,57.28) 66.58,57.98 65.92,58.64 arc(65.46,59.34) 65.3,60.16 65.3,68.65 arc(65.85,69.98) 67.18,70.53 76.46,70.53 arc(77.29,70.87) 77.64,71.71 77.64,72.84 arc(77.95,74.42) J2#4.31
Board_3-/12: length 6.6
  Top w0.2: U4#8.15 68.16,50.79 v1(68.15,50.81)
  In1.Cu w0.2: v1(68.15,50.81) 68.15,50.12 arc(67.63,47.51) J2#4.14
Board_3-/13: length 7.2
  Top w0.2: U4#8.16 69.1,51.5 v1(69.03,51.57)
  In1.Cu w0.2: J2#4.15 68.69,50.76 arc(68.78,51.2) v1(69.03,51.57)
Board_3-/14: length 6
  Top w0.2: U4#8.17 69.5,50.13 v1(69.5,50.12)
  In1.Cu w0.2: v1(69.5,50.12) 69.5,49.45 arc(69.95,47.2) J2#4.16
Board_3-/15: length 9.5
  Top w0.2: U4#8.18 69.9,51.04 arc(69.8,51.55) v1(69.5,51.99)
  In1.Cu w0.2: J2#4.17 71.23,47.83 arc(70.4,49.08) 70.11,50.54 arc(69.95,51.33) v1(69.5,51.99)
Board_3-/16: length 7.9
  Top w0.2: U4#8.27 73.5,51.41 v1(73.38,51.53)
  In1.Cu w0.2: J2#4.18 75.71,45.89 arc(73.98,48.48) v1(73.38,51.53)
Board_3-/20_SDI: length 4.9
  Top w0.2: U4#8.31 75.81,52.43 v1(75.84,52.46)
  In1.Cu w0.2: J2#4.21 77.41,51.81 arc(76.69,52.29) v1(75.84,52.46)
Board_3-/21_CS: length 10.1
  Top w0.2: v1(73.97,52.87) 74,52.83 U4#8.32
  In1.Cu w0.2: v1(73.97,52.87) 74.02,52.82 74.02,52.16 arc(74.65,50.02) 75.95,48.19 J2#4.19
Board_3-/22_SCK: length 5.9
  Top w0.2: U4#8.34 73.98,53.63 v1(73.95,53.66)
  In1.Cu w0.2: v1(73.95,53.66) 74,53.7 76.93,53.7 arc(77.97,53.5) J2#4.22
Board_3-/23_SDO: length 8.7
  Top w0.2: U4#8.35 75.98,54.03 arc(77.23,53.51) 77.75,52.25 77.75,50.47 arc(78.04,49.04) J2#4.20
Board_3-/A0: length 4.2
  Top w0.2: v1(75.85,55.16) 75.78,55.23 U4#8.38
  In1.Cu w0.2: v1(75.85,55.16) 78.14,55.16 arc(78.52,55.23) J2#4.23
Board_3-/A1: length 6.5
  Top w0.2: v1(74,55.65) 74.03,55.63 U4#8.39
  In1.Cu w0.2: J2#4.24 76.75,55.89 arc(76.46,55.7) 76.12,55.63 74.03,55.63 v1(74,55.65)
Board_3-/A2: length 6.8
  Top w0.2: U4#8.40 76.14,56.03 v1(76.22,56.11)
  In1.Cu w0.2: J2#4.25 77.49,59.17 arc(76.55,57.77) v1(76.22,56.11)
Board_3-/A3: length 9.4
  Top w0.2: U4#8.41 74.35,56.43 arc(74.16,56.39) 74,56.28 v1(74,56.28)
  In1.Cu w0.2: J2#4.26 77.98,62.2 arc(77.69,61.76) 77.58,61.24 arc(77.36,60.13) 76.74,59.19 74,56.45 v1(74,56.28)
Board_3-/BOOT: length 0.7
  Top w0.2: 68.4,65.28 Q2#4.3
Board_3-/D+: length 11.1
  Top w0.2: v1(71.65,56.48) 71.65,56.5 71.93,56.78 arc(72.2,57.19) U4#8.47 ; v1(70.5,65.13) 70.52,65.15 R12#8.2
  In1.Cu w0.2: v1(71.65,56.48) 71.65,56.5 arc(71.89,56.86) 71.97,57.28 71.97,62.86 arc(71.85,63.5) 71.48,64.05 70.47,65.06 70.47,65.11 v1(70.5,65.13)
Board_3-/D-: length 11.2
  Top w0.2: 71.58,65.15 71.94,65.15 v1(71.97,65.13) ; U4#8.46 72.7,57.45 arc(72.6,56.92) v1(72.3,56.48)
  In1.Cu w0.2: v1(72.3,56.48) 72.3,63.96 arc(72.26,64.06) 72.15,64.11 71.96,64.11 arc(71.86,64.15) 71.81,64.26 arc(71.86,64.36) 71.96,64.41 72.15,64.41 arc(72.26,64.45) 72.3,64.56 arc(72.26,64.78) 72.13,64.96 v1(71.97,65.13)